# Allegro board reComputer Industrial J201_V1.2.brd (continued)
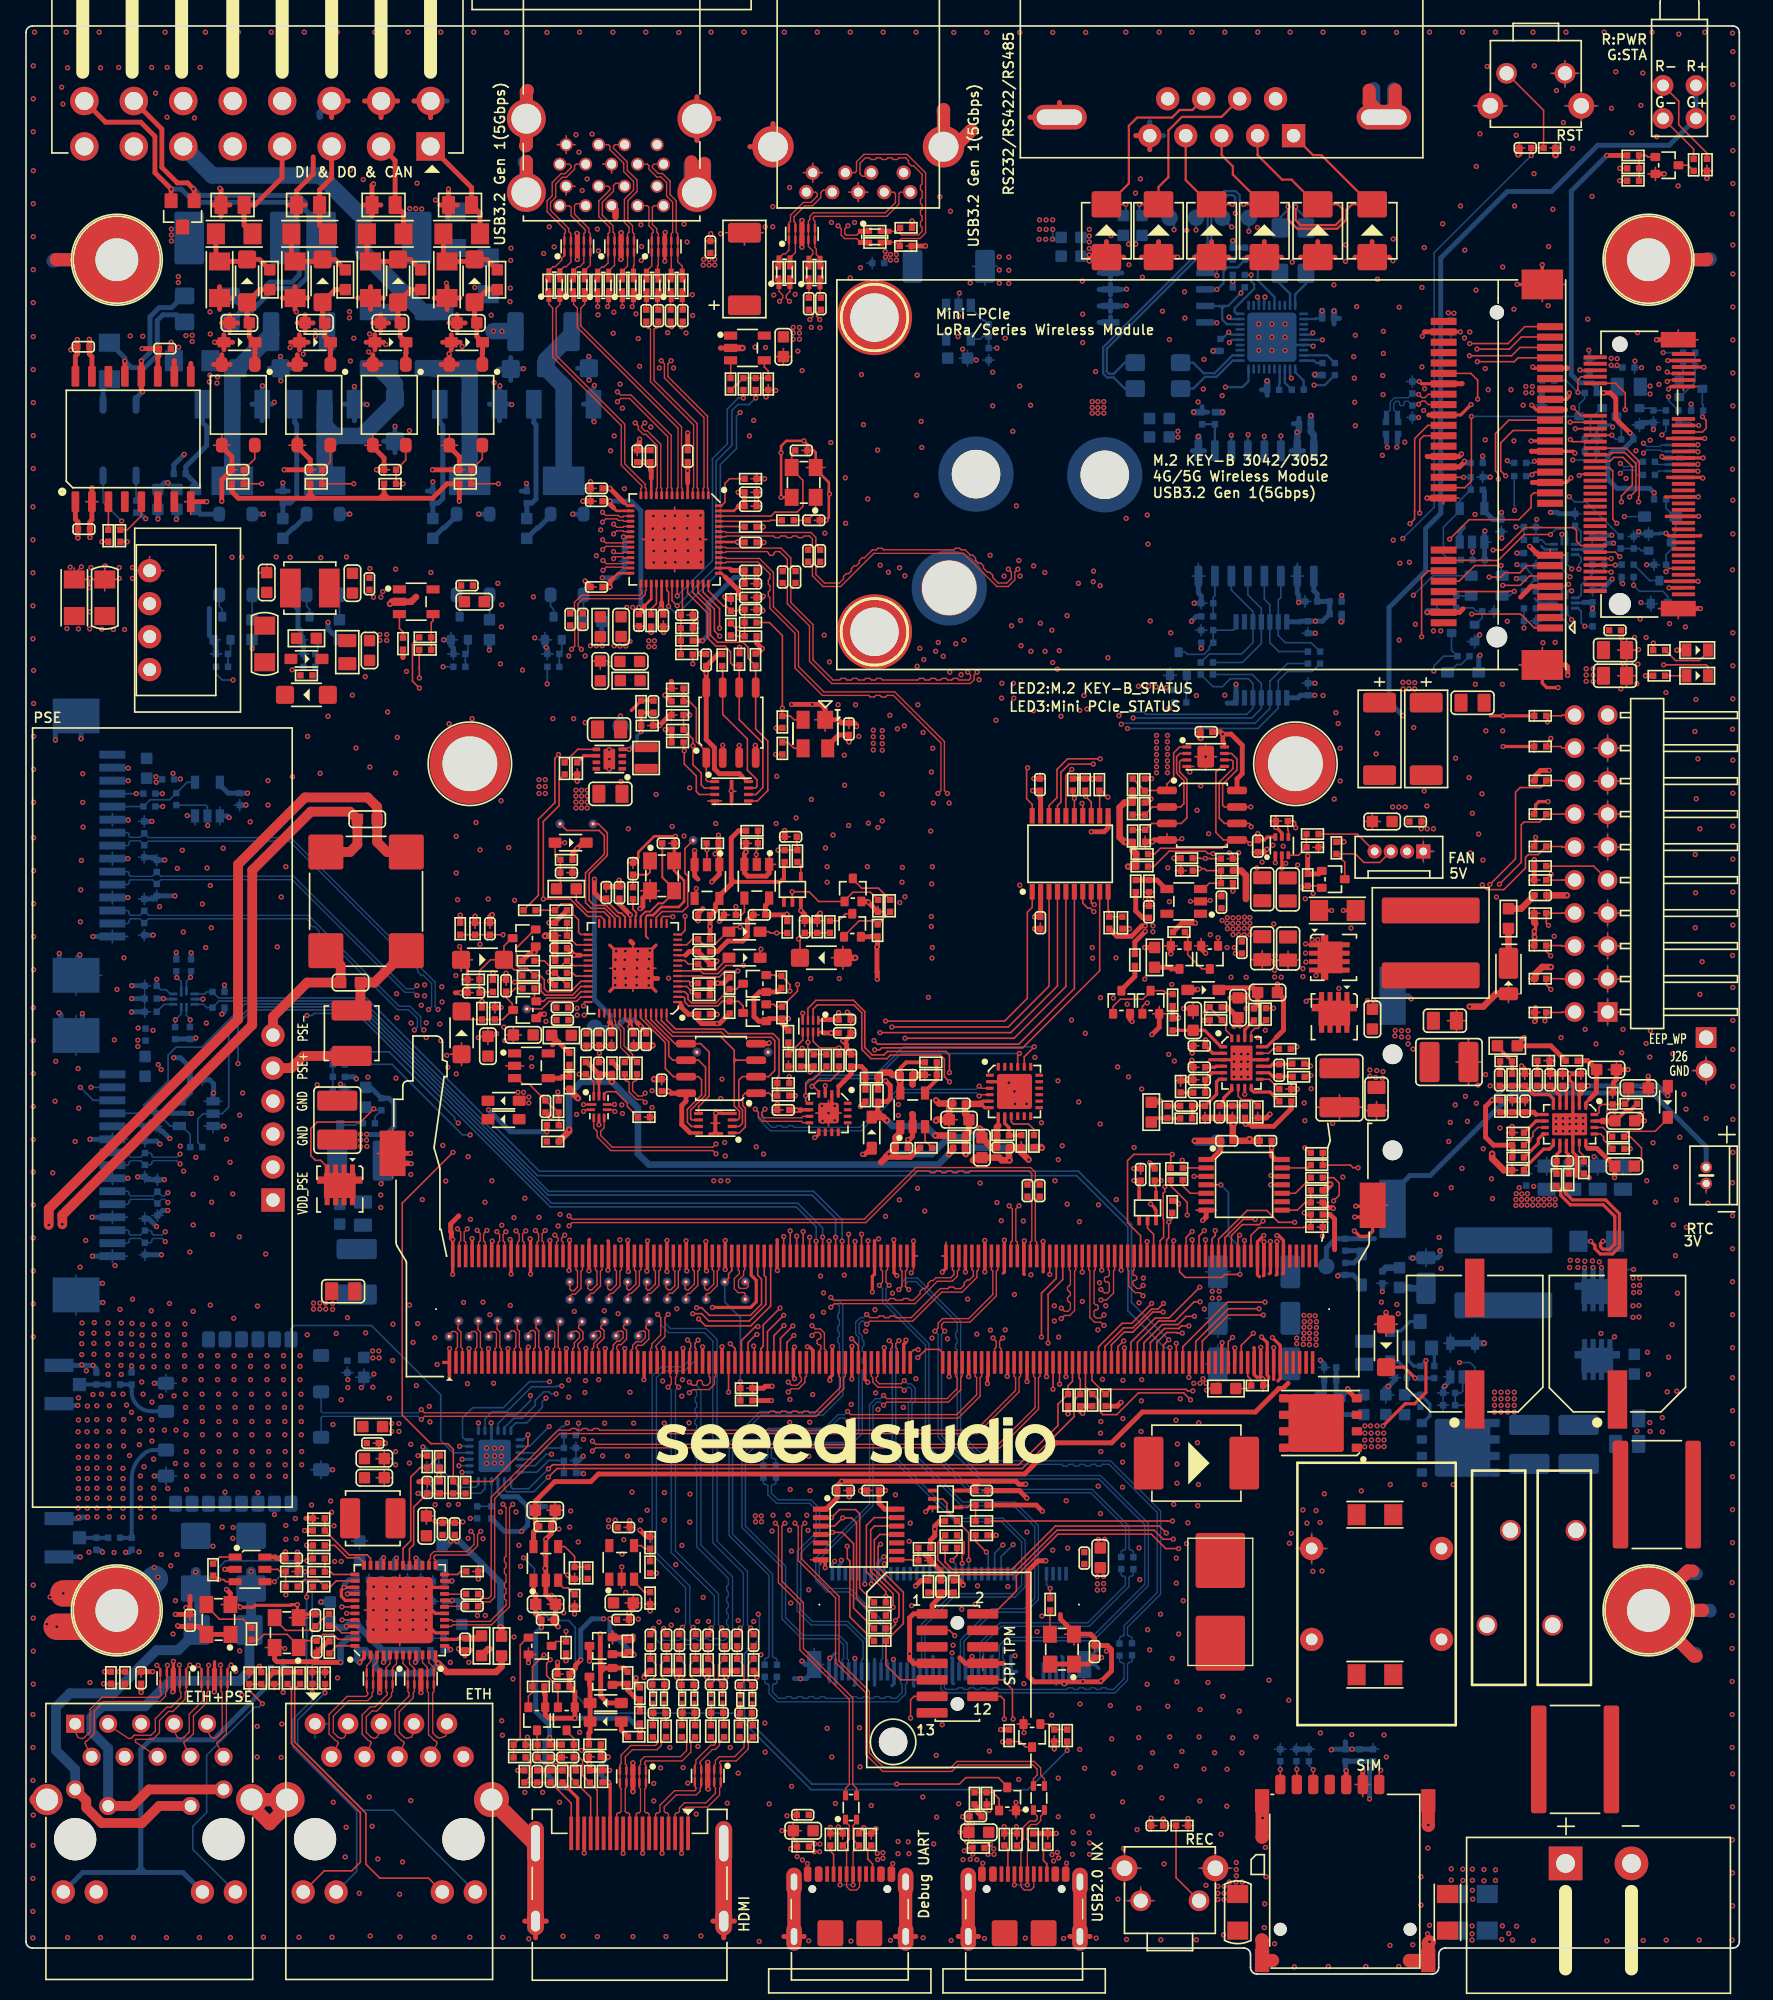
[diagram p0: board, top side]
## Routing (per net, layer and track width the routed paths; a pad name or vN(x,y) marks a point on that pad's centre or on a via; arc(x,y) is an arc through that point) (continued)
HUB_SSTX2_N: length 15.9
  TOP w0.107: U8.11 48.57,114.38 48.64,114.45 48.64,117.68 47.77,118.55 47.56,118.55 47.17,118.94 47.17,119.2 v1(46.94,119.43) ; v1(49.74,126.84) 49.74,127.2 49.71,127.23 C8.1
  LAY3 w0.084: v1(49.74,126.84) 50,126.58 50,125.51 50.3,125.22 50.3,123.04 47.19,119.93 47.19,119.68 v1(46.94,119.43)
HUB_SSTX2_P: length 15.9
  TOP w0.107: v1(47.67,119.43) 47.44,119.2 47.44,119.05 47.68,118.82 47.88,118.82 48.91,117.79 48.91,114.45 48.97,114.38 U8.10 ; v1(50.5,126.84) 50.5,127.17 50.56,127.23 C9.1
  LAY3 w0.084: v1(50.5,126.84) 50.24,126.58 50.24,125.61 50.53,125.31 50.53,122.94 47.43,119.83 47.43,119.68 v1(47.67,119.43)
HUB_SSTX3_C_N: length 1.5
  TOP w0.107: R19.1 60.28,130.14 L3.1 60.33,129.53 60.3,129.51 C4.2
HUB_SSTX3_C_P: length 1.5
  TOP w0.107: R17.1 61.22,130.13 L3.4 61.18,129.14 C5.2
HUB_SSTX3_N: length 31.4
  TOP w0.107: v1(60.39,127.4) 60.64,127.64 60.64,127.82 C4.1 ; U8.20 46.05,111.06 45.99,111.13 45.51,111.13 v1(45.27,110.88)
  LAY3 w0.084: v1(60.39,127.4) 60.65,127.66 60.65,127.93 60.91,128.19 61.6,128.19 61.96,127.83 61.96,126.29 59.94,124.27 55.22,124.27 53.81,122.86 53.81,119.15 45.8,111.14 45.53,111.14 v1(45.27,110.88)
HUB_SSTX3_P: length 31.4
  TOP w0.107: v1(61.15,127.4) 60.91,127.64 60.91,127.82 C5.1 ; v1(45.27,111.64) 45.51,111.4 45.99,111.4 46.05,111.46 U8.19
  LAY3 w0.084: v1(61.15,127.4) 60.89,127.66 60.89,127.83 61.01,127.95 61.5,127.95 61.73,127.73 61.73,127.25 61.6,127.12 61.6,126.82 61.73,126.69 61.73,126.39 61.51,126.17 61.33,126.17 61.11,125.95 61.11,125.77 60.9,125.56 60.72,125.56 60.5,125.34 60.5,125.16 59.85,124.51 59.34,124.51 59.21,124.63 58.91,124.63 58.78,124.51 58.4,124.51 58.27,124.63 57.97,124.63 57.84,124.51 57.53,124.51 57.41,124.63 57.1,124.63 56.98,124.51 56.67,124.51 56.54,124.63 56.24,124.63 56.11,124.51 55.12,124.51 53.57,122.96 53.57,121.84 53.45,121.71 53.45,121.41 53.57,121.28 53.57,120.98 53.45,120.85 53.45,120.54 53.57,120.42 53.57,120.11 53.45,119.98 53.45,119.68 53.57,119.55 53.57,119.25 53.36,119.03 53.18,119.03 52.96,118.82 52.96,118.64 45.71,111.38 45.53,111.38 v1(45.27,111.64)
HUB_SSTX4_N: length 93.4
  TOP w0.107: v1(44.45,108.08) 44.7,108.33 45.99,108.33 46.05,108.26 U8.27
  LAY3 w0.084: v1(122.83,116.32) 122.57,116.05 108.11,116.05 99.77,107.72 86.47,107.72 82.98,111.2 65.21,111.2 60.76,106.76 60.46,106.76 60.33,106.89 60.03,106.89 59.9,106.76 59.6,106.76 59.47,106.89 59.16,106.89 59.04,106.76 58.73,106.76 58.61,106.89 58.3,106.89 58.17,106.76 48.68,106.76 48.55,106.89 48.25,106.89 48.12,106.76 47.81,106.76 47.69,106.89 47.38,106.89 47.26,106.76 46.95,106.76 46.49,106.29 46,106.29 45.88,106.42 45.57,106.42 45.44,106.29 45.14,106.29 45.01,106.42 44.71,106.42 44.58,106.29 44.28,106.29 43.95,106.62 43.95,108.22 44.07,108.34 44.19,108.34 v1(44.45,108.08)
  BOTTOM w0.107: C216.2 124.14,116.44 124.03,116.34 124.03,116.18 123.93,116.07 123.08,116.07 v1(122.83,116.32)
HUB_SSTX4_P: length 93.4
  TOP w0.107: U8.26 46.05,108.66 45.99,108.6 44.7,108.6 v1(44.45,108.84)
  LAY3 w0.084: v1(122.83,115.56) 122.57,115.82 108.21,115.82 99.87,107.48 86.37,107.48 82.88,110.97 65.31,110.97 60.86,106.52 47.05,106.52 46.58,106.06 44.18,106.06 43.71,106.53 43.71,108.31 43.98,108.58 44.19,108.58 v1(44.45,108.84)
  BOTTOM w0.107: C217.2 124.14,115.43 124.03,115.54 124.03,115.7 123.93,115.8 123.08,115.8 v1(122.83,115.56)
HUB_TEST: length 2
  TOP w0.127: R49.1 54.92,111.43 54.89,111.46 U8.52
HUB_USBOC1/2: length 1.4
  TOP w0.127: U5.3 54.29,123.34 54.28,123.33 R40.1
HUB_USBOC3: length 2.1
  BOTTOM w0.127: U41.3 72.8,128.3 73.77,127.33 73.86,127.33 R283.1
HUB_XTALI: length 11.6
  TOP w0.127: U8.54 57.41,112.26 57.71,112.57 59.41,112.57 59.85,113.01 59.85,115.01 58.99,115.88 X1.3 58.99,117.04 C17.1
HUB_XTALO: length 4.9
  TOP w0.127: R48.2 57.35,111.94 57.28,111.87 56.59,111.87 56.5,111.87 55.06,111.87 55.05,111.86 U8.53
I2C0_A0: length 4.7
  BOTTOM w0.127: U51.18 39.36,38.64 40.28,39.56 40.98,39.56 41,39.53 R379.1 R380.2
I2C0_A1: length 5.6
  BOTTOM w0.127: R384.2 31.18,37.66 31.18,37.64 R383.1 35.02,37.02 35.36,37.36 U51.23
I2C0_A2: length 5
  BOTTOM w0.127: U51.24 34.86,37.71 34.62,37.47 33.38,37.47 R381.1 R385.2
I2C0_INT: length 3
  BOTTOM w0.127: R386.2 R382.2 35.86,36.45 U51.22
I2C0_INT_GPIO12: length 14.8
  TOP w0.127: v1(93.53,53.87) 92.36,53.87 92.13,53.64 89.31,53.64 88.88,54.07 J9.218 ; U58.4 v1(92.05,60.77)
  BOTTOM w0.127: v1(92.05,60.77) 92.64,60.18 92.64,56.84 93.53,55.95 v1(93.53,53.87)
I2C0_INT_GPIO12_3V3: length 74.7
  TOP w0.127: U58.11 v1(95.9,60.77)
  LAY4 w0.127: v1(95.9,60.77) 95.09,59.96 85.55,59.96 82.76,57.17 73.18,57.17 71.33,55.32 60,55.32 54.36,49.68 49.01,49.68 42.87,43.53 40.95,43.53 39.68,42.26 39.68,40.53 v1(34.23,35.09)
  BOTTOM w0.127: R386.1 v1(34.23,35.09)
I2C0_SCL: length 50
  TOP w0.127: v1(40.26,38.91) 40.57,39.21 76.48,39.21 79.51,42.24 79.51,43.88 R205.2 80.28,45.29 80.63,45.64 J9.185
  BOTTOM w0.127: U51.19 37.36,37.49 37.49,37.36 38.71,37.36 v1(40.26,38.91)
I2C0_SDA: length 51.4
  TOP w0.127: J9.187 81.13,45.89 81.22,45.8 R206.2 80.75,44.18 80.75,42.92 76.75,38.92 40.91,38.92 v1(40.25,38.26)
  BOTTOM w0.127: U51.20 36.86,37.33 37.06,37.13 39.12,37.13 v1(40.25,38.26)
I2C1_SCL: length 106.7
  TOP w0.127: v1(107.37,112.49) 107.37,112.66 107.38,112.67 107.38,118.14 107.69,118.45 J5.30 ; J9.189 81.63,45.19 R203.2 82.65,44.17 82.65,43.39 82.96,43.07 84.03,43.07 85.71,44.75 89.18,44.75 v1(89.72,44.22)
  LAY3 w0.127: v1(89.72,44.22) 89.77,44.17 92,44.17 94.87,47.04 96.37,47.04 97.06,47.72 97.06,50.69 101.68,55.32 101.68,59.43 102.14,59.89 102.14,62.93 114,74.79 114,81.43 114.84,82.27 114.84,85.39 114.13,86.1 114.12,86.1 113.97,86.25 113.97,93.34 110.06,97.25 110.06,101.87 112.21,104.02 112.21,105.72 110.54,107.39 110.54,111.02 109.63,111.93 107.93,111.93 v1(107.37,112.49)
I2C1_SDA: length 105.7
  TOP w0.127: J9.191 82.13,45.7 R204.2 83.55,45.02 89.38,45.02 89.5,44.9 v1(89.89,44.9) ; v1(106.63,111.68) 106.98,112.02 106.98,112.65 106.99,112.67 106.99,118.23 108.01,119.25 J5.32
  LAY3 w0.127: v1(106.63,111.68) 106.91,111.4 109.78,111.4 110.28,110.91 110.28,107.27 111.94,105.61 111.94,104.21 109.79,102.06 109.79,97.2 113.75,93.25 113.75,86.16 114.61,85.29 114.61,82.44 113.72,81.55 113.72,74.89 101.87,63.04 101.87,60.03 101.41,59.57 101.41,55.43 96.78,50.79 96.78,47.77 96.27,47.26 94.77,47.26 91.9,44.39 90.4,44.39 v1(89.89,44.9)
I2C2_M2M_SCL: length 2.3
  TOP w0.127: v1(71.34,31.85) 71.74,32.25 R220.2
  BOTTOM w0.127: v1(71.34,31.85) 71.63,31.56 J21.40
I2C2_M2M_SDA: length 3.2
  TOP w0.127: v1(72.13,31.61) 72.13,32.01 72.12,32.01 72.12,32.25 72.28,32.41 72.28,33.24 R216.2
  BOTTOM w0.127: J21.42 v1(72.13,31.61)
I2C2_SCL: length 140.9
  TOP w0.127: R220.1 70.82,31.71 71.37,31.15 75.96,31.15 79.3,34.5 87.31,34.5 v1(87.85,33.95) ; U15.6 92.88,93.48 92.99,93.37 92.99,92.83 91.93,91.77 91.93,89 92.34,88.59 U16.6 94.26,88.59 94.39,88.47 v1(94.39,88.34) ; v1(94.7,58.11) 93.78,58.11 92.38,56.7 J9.232 ; v1(58.86,75.69) 58.86,76.19 R134.2 57.75,76.85 57.68,76.92 Q13.2 ; R99.2 86.89,85.28 88.07,86.46 90.87,86.46 91.06,86.27 v1(91.45,86.27)
  LAY3 w0.127: v1(91.45,86.27) 93.51,88.34 v1(94.39,88.34) 93.88,87.83 93.88,83.87 94.95,82.8 94.95,72.55 94.9,72.5 v1(94.9,72.11) 94.9,71.71 94.8,71.61 94.8,58.61 94.7,58.5 v1(94.7,58.11) 94.42,57.83 94.42,53.78 86.91,46.27 86.91,34.9 v1(87.85,33.95)
  LAY4 w0.127: v1(94.9,72.11) 91.7,72.11 91.49,72.31 87.76,72.31 84.38,75.69 v1(58.86,75.69)
I2C2_SDA: length 141.5
  TOP w0.127: v1(95.3,57.98) 95.03,57.7 94.8,57.7 94.8,57.7 93.7,57.7 92.88,56.87 J9.234 ; Q15.2 57.62,74.67 57.8,74.49 R143.2 59.44,75.68 v1(59.44,76.19) ; 92.8,87.32 92.16,86.69 87.41,86.69 86.96,86.24 R95.2 ; 92.8,87.32 U16.5 94,87.32 v1(94.29,87.04) ; 92.8,87.32 92.25,87.32 91.67,87.9 91.67,92.54 92.11,92.98 U15.5 ; R216.1 70.25,33.22 70.25,31.89 71.38,30.75 76.01,30.75 79.43,34.18 86.92,34.18 87.61,33.48 v1(88.39,33.48)
  LAY3 w0.127: v1(94.29,87.04) 94.29,83.89 95.2,82.98 95.2,72.94 v1(95.48,72.66) 95.48,72.27 95.51,72.25 95.51,67.03 95.3,66.82 v1(95.3,57.98) 94.92,57.6 94.92,53.96 87.14,46.17 87.14,35.46 88.39,34.21 v1(88.39,33.48)
  LAY4 w0.127: v1(59.44,76.19) 60.07,76.19 60.28,75.99 84.56,75.99 87.89,72.66 91.67,72.66 92,72.33 94.16,72.33 94.49,72.66 v1(95.48,72.66)
I2S1_LRCK: length 103.1
  TOP w0.127: J6.28 119.14,117.99 v1(118.98,118.16) ; v1(90.78,57.25) 90.38,56.84 J9.224
  LAY3 w0.127: v1(90.78,57.25) 90.78,57.58 91.06,57.86 91.06,59.33 86.16,64.23 86.16,66.75 79.54,73.36 79.54,85.25 79,85.8 79,100.02 v1(79.46,100.48)
  LAY4 w0.127: v1(79.46,100.48) 80.04,100.48 85.58,106.01 98.28,106.01 98.78,105.52 102.1,105.52 104.12,107.54 104.12,110.35 109.86,116.09 109.86,118.08 110.42,118.64 118.47,118.64 118.95,118.16 v1(118.98,118.16)
I2S1_SCLK: length 104.3
  TOP w0.127: v1(119.18,120.61) 119.8,119.99 J6.20 ; v1(90.88,56.54) J9.226
  LAY3 w0.127: v1(90.88,56.54) 91.19,56.85 91.19,57.53 91.39,57.73 91.39,59.33 86.41,64.31 86.41,66.9 79.78,73.54 79.78,85.55 79.27,86.06 79.27,98.92 79.89,99.54 79.89,101.62 v1(79.61,101.9)
  LAY4 w0.127: v1(119.18,120.61) 118.9,120.34 110.57,120.34 109,118.77 109,116.73 103.32,111.06 103.32,108.41 101.78,106.88 84.59,106.88 v1(79.61,101.9)
I2S1_SDIN: length 103.2
  TOP w0.127: J9.222 89.88,56.5 v1(89.84,56.54) ; J6.24 v1(119.36,118.99)
  LAY3 w0.127: v1(89.84,56.54) 90.25,56.94 90.25,59.76 85.91,64.1 85.91,66.67 79.27,73.3 79.27,85.01 78.77,85.52 78.77,100.65 v1(79.1,100.99)
  LAY4 w0.127: v1(119.36,118.99) 110.34,118.99 109.53,118.18 109.53,116.23 103.88,110.57 103.88,107.83 101.79,105.74 98.95,105.74 98.43,106.27 85.37,106.27 80.09,100.99 v1(79.1,100.99)
I2S1_SDOUT: length 104.2
  TOP w0.127: J6.22 v1(118.96,119.49) ; J9.220 89.38,56.7 v1(89.84,57.17)
  LAY3 w0.127: v1(78.52,101.85) 78.52,85.42 79.02,84.91 79.02,73.22 85.65,66.59 85.65,64 89.84,59.81 v1(89.84,57.17)
  LAY4 w0.127: v1(78.52,101.85) 78.92,101.44 79.89,101.44 85.02,106.57 102.06,106.57 103.61,108.12 103.61,110.79 109.27,116.45 109.27,118.44 110.33,119.49 v1(118.96,119.49)
IFP_TERM_EN: length 20.8
  TOP w0.381: v1(47.63,22.83) 47.63,22.96 48.02,23.34 R244.1 ; v1(56.32,22.85) 56.32,23.09 R251.1 ; v1(52.45,22.85) 52.55,22.95 R248.1 R247.1 ; Q19.3 v1(43.41,24.1) ; R245.1 R246.1 50.34,23.05 v1(50.14,22.85) ; R250.1 R249.1 53.82,22.99 v1(53.95,22.85)
  LAY4 w0.381: v1(56.32,22.85) v1(53.95,22.85) v1(52.45,22.85) v1(50.14,22.85) 49.62,22.85 49.6,22.83 v1(47.63,22.83) 47.63,23.35 47.06,23.92 44.11,23.92 43.93,24.1 v1(43.41,24.1)
ILIM_DC1: length 2.6
  TOP w0.254: R194.1 116.51,63.97 116.51,64.31 116.89,64.68 U31.10
ILIM_DC2: length 2.7
  TOP w0.254: R176.1 95.84,67.91 94.59,67.91 94.4,68.11 U25.10
LAA_N79_TX_EN_1V8: length 116.1
  TOP w0.127: v1(113.03,109.65) 113.75,109.65 115.47,111.37 119.23,111.37 119.46,111.15 119.46,110.33 119.8,109.99 J6.60 ; J9.97 56.63,48.16 56.8,48.33 56.8,49.98 v1(58.09,51.28)
  LAY3 w0.127: v1(68.71,97.73) 68.71,96.55 67.77,95.61 67.77,87.14 66.91,86.28 66.91,75.48 64.29,72.87 64.29,70.3 63.68,69.69 63.68,64.99 56.82,58.14 56.82,58.14 56.77,58.08 56.77,56.11 58.37,54.51 58.37,51.56 v1(58.09,51.28)
  LAY4 w0.127: v1(68.71,97.73) 76.33,97.73 77.45,98.85 81.84,98.85 85.53,102.53 101.83,102.53 107.29,108 111.82,108 113.03,109.21 v1(113.03,109.65)
LAN_XI: length 9.2
  TOP w0.127: U38.47 24.06,25.77 23.68,26.16 22.89,26.16 C181.1 21.53,25.66 X3.1 21.01,25.27 20.12,26.16 18.34,26.16 17.92,25.73 R241.2
LAN_XO: length 2.2
  TOP w0.127: U38.46 24.32,26.27 23.79,26.81 R239.1
LAN_XO_R: length 5.2
  TOP w0.127: X3.3 19.16,27.31 20.01,26.46 21.98,26.46 C169.1 22.88,27.36 22.98,27.36 R239.2
LDO_5V_IN: length 5.7
  TOP w0.381: R189.1 v1(40.12,64.85)
  BOTTOM w0.381: v1(40.12,64.85) 37.33,64.85 v1(35.64,66.54)
LED1_CTRL: length 3.3
  TOP w0.127: Q1.1 124.96,139.91 124.84,140.03 R1.2 R4.2 R5.2
LED_WWAN: length 44
  TOP w0.127: v1(126.17,100.81) 129.46,100.81 129.58,100.68 LED3.2 ; v1(111.84,121.27) 111.84,122.73 111.32,123.25 J5.42
  LAY3 w0.127: v1(111.84,121.27) 124.83,121.27 127.61,118.49 127.61,113.56 125.84,111.78 125.84,101.14 v1(126.17,100.81)
M2B_DPR_1V8: length 5.1
  TOP w0.127: v1(129.16,119.91) 129.44,119.63 129.44,119.02 129.16,118.74 J6.25
  BOTTOM w0.127: Q24.3 129.15,120.88 129.21,120.82 R295.2 129.16,120.33 v1(129.16,119.91)
M2B_DPR_3V3: length 168.5
  LAY3 w0.127: v1(41.71,42.44) 42.63,43.35 42.63,46.88 45.19,49.45 45.19,51.02 45.95,51.79 45.95,55.27 45.34,55.87 45.34,63.88 45.9,64.43 56.11,64.43 57.36,63.19 61.55,63.19 63.45,65.09 63.45,69.92 64.06,70.53 64.06,73.05 66.68,75.66 66.68,86.38 67.44,87.14 67.44,95.61 67.67,95.84 v1(67.67,96.11) ; v1(127.84,103.73) 128.3,104.19 128.3,119.73 128.66,120.09 128.66,122.93 126.74,124.85 v1(126.13,124.85)
  LAY4 w0.127: v1(67.67,96.11) 82.25,96.11 84.28,98.14 89.49,98.14 89.84,97.78 103.2,97.78 106.18,100.76 119.15,100.76 121.95,103.55 127.27,103.55 127.45,103.73 v1(127.84,103.73)
  BOTTOM w0.127: U51.15 39.26,40.14 41.28,42.16 41.43,42.16 v1(41.71,42.44) ; R288.1 v1(126.13,124.85)
M2B_PCIE_HSD4_N: length 27.7
  TOP w0.107: J5.36 108.04,120.85 107.77,121.11 107.54,121.11 v1(107.29,120.87) ; J6.9 126.56,122.74 v1(126.45,122.62)
  LAY3 w0.084: v1(107.29,120.87) 107.55,121.13 109.13,121.13 110.87,122.87 126.2,122.87 v1(126.45,122.62)
  BOTTOM w0.107: R302.1 105.71,119.95 L29.4 105.67,120.17 105.37,120.46 105.37,120.94 105.54,121.1 105.75,121.1 105.82,121.03 105.82,120.85 105.9,120.77 106.1,120.77 106.18,120.85 106.18,121.02 106.25,121.1 106.48,121.1 D66.2 107.2,120.78 v1(107.29,120.87)
M2B_PCIE_HSD4_P: length 27.7
  TOP w0.107: v1(107.29,121.63) 107.54,121.38 107.77,121.38 108.04,121.65 J5.38 ; v1(126.45,123.36) 126.56,123.24 J6.7
  LAY3 w0.084: v1(126.45,123.36) 126.2,123.11 110.77,123.11 109.03,121.37 107.55,121.37 v1(107.29,121.63)
  BOTTOM w0.107: R303.1 104.77,119.96 L29.1 104.82,120.15 105.11,120.44 105.11,121.05 105.42,121.37 106.01,121.37 106.48,121.37 D65.2 106.88,121.63 v1(107.29,121.63)
M2B_PCIE_RESET: length 150
  LAY3 w0.127: v1(68.66,100.69) 68.66,98.29 66.68,96.31 66.68,87.09 66.2,86.61 66.2,75.93 63.61,73.34 63.61,71.01 62.97,70.38 62.97,65.31 61.36,63.7 57.66,63.7 56.44,64.92 45.72,64.92 44.86,64.05 44.86,55.54 45.47,54.94 45.47,52.98 44.96,52.47 44.5,52.47 44.17,52.14 44.17,50.19 42.37,48.38 42.37,47.32 40.85,45.79 v1(40.85,44.67)
  LAY4 w0.127: v1(68.66,100.69) 75.96,100.69 77.56,99.09 81.65,99.09 85.35,102.79 101.76,102.79 108.47,109.5 v1(111.45,109.5) 111.87,109.5 114.28,111.91 114.28,113 115.04,113.76 v1(118.9,113.76)
  BOTTOM w0.127: v1(40.85,44.67) 40.45,44.67 40.3,44.83 39.88,44.83 39.22,44.17 39.22,43.78 38.23,42.79 37.58,42.79 36.86,42.07 U51.11 ; R315.2 R316.1 v1(111.45,109.5) 111.41,109.55 U53.2 ; R327.2 120.19,113.36 119.31,113.36 v1(118.9,113.76)
M2B_POWER_OFF#: length 107.8
  TOP w0.127: J6.6 119.74,123.49 v1(119.71,123.52) ; J9.212 87.38,56.46 87.64,56.73 87.64,58.1 87.61,58.13 87.61,60.1 87.74,60.23 v1(87.74,60.62)
  LAY3 w0.127: v1(77.42,101.85) 77.42,101.04 78.03,100.43 78.03,84.98 78.46,84.55 78.46,72.89 84.89,66.47 84.89,63.09 86.08,61.89 87.23,61.89 88.01,61.11 88.01,60.9 v1(87.74,60.62)
  LAY4 w0.127: v1(77.42,101.85) 77.85,102.28 79.43,102.28 84.28,107.13 101.32,107.13 103,108.81 103,111.27 108.69,116.96 108.69,118.94 112.83,123.08 119.28,123.08 v1(119.71,123.52)
  BOTTOM w0.127: R291.1 119.85,123.38 v1(119.71,123.52)
M2B_SSRX4_N: length 102.7
  TOP w0.107: J6.29 128.8,117.74 v1(128.81,117.75) ; C43.1 42.55,103.5 42.55,102.25 v1(42.79,102)
  LAY3 w0.084: v1(124.62,117.87) 124.88,117.61 125.17,117.61 125.44,117.34 125.44,115.75 124.13,114.44 108.12,114.44 100.3,106.62 85.66,106.62 82.22,110.05 66.2,110.05 61.55,105.41 51.34,105.41 49.94,104.01 43.03,104.01 42.53,103.51 42.53,102.26 v1(42.79,102)
  BOTTOM w0.107: v1(128.81,117.75) 128.68,117.62 128.1,117.62 127.98,117.73 U43.6 U43.5 126.02,117.73 125.91,117.62 124.87,117.62 v1(124.62,117.87)
M2B_SSRX4_P: length 102.6
  TOP w0.107: v1(128.81,117.22) 128.78,117.24 J6.31 ; v1(42.03,102) 42.28,102.25 42.28,103.49 C44.1
  LAY3 w0.084: v1(124.62,117.11) 124.88,117.37 125.07,117.37 125.2,117.24 125.2,115.84 124.03,114.68 122.79,114.68 122.66,114.8 122.36,114.8 122.23,114.68 121.87,114.68 121.75,114.8 121.44,114.8 121.31,114.68 121.01,114.68 120.88,114.8 120.58,114.8 120.45,114.68 108.03,114.68 100.2,106.85 85.75,106.85 82.32,110.29 66.1,110.29 61.45,105.64 51.24,105.64 49.84,104.24 42.93,104.24 42.29,103.61 42.29,102.26 v1(42.03,102)
  BOTTOM w0.107: v1(124.62,117.11) 124.85,117.35 125.91,117.35 126.02,117.23 U43.4 U43.7 127.98,117.23 128.1,117.35 128.67,117.35 v1(128.81,117.22)
M2B_SSTX4_N: length 4.6
  TOP w0.107: J6.35 128.8,116.24 v1(128.81,116.25)
  BOTTOM w0.107: C216.1 125.71,116.23 U43.2 U43.9 127.98,116.23 128.1,116.12 128.68,116.12 v1(128.81,116.25)
M2B_SSTX4_P: length 4.7
  TOP w0.107: v1(128.81,115.72) 128.78,115.74 J6.37
  BOTTOM w0.107: v1(128.81,115.72) 128.67,115.85 128.1,115.85 127.98,115.73 U43.10 U43.1 125.8,115.73 C217.1
M2B_STATUS_LED: length 26
  TOP w0.127: v1(123.21,120.45) 123.21,121.75 122.47,122.49 J6.10 ; v1(125.38,102.48) 125.36,102.46 R59.2
  LAY3 w0.127: v1(125.38,102.48) 125.38,112.03 127.28,113.94 127.28,118.26 125.09,120.45 v1(123.21,120.45)
M2B_SUSCLK_32KHZ: length 94.1
  TOP w0.127: U33.4 87.06,60.53 86.96,60.63 R195.2 v1(87.46,61.1) ; J6.68 122.08,107.99 v1(122.13,107.94)
  LAY3 w0.127: v1(87.46,61.1) 87.04,61.51 85.2,61.51 84.46,62.25 84.46,66.21 78.11,72.56 78.11,84.27 77.17,85.21 77.17,92.2 77.6,92.63 77.6,96.86 77.63,96.88 v1(77.63,97.28)
  LAY4 w0.127: v1(77.63,97.28) 80.14,97.28 80.8,96.62 82.02,96.62 84.03,98.62 89.08,98.62 89.34,98.88 102.57,98.88 108.79,105.1 119.28,105.1 v1(122.13,107.94)
M2B_USIM_CLK: length 23.9
  TOP w0.127: v1(123.55,113.74) 124.03,114.22 124.03,116.3 123.19,117.14 122.14,117.14 121.99,116.99 J6.32
  LAY3 w0.127: v1(119.1,103.65) 118.42,104.34 118.42,106.57 116.97,108.02 116.97,110.97 119.75,113.75 123.14,113.75 123.16,113.74 v1(123.55,113.74)
  BOTTOM w0.127: v1(119.1,103.65) 118.33,104.43 U46.2
M2B_USIM_DATA: length 17.9
  TOP w0.127: J6.34 122.04,116.49 122.33,116.78 123.04,116.78 123.75,116.07 123.75,114.65 122.91,113.81 v1(122.91,113.36)
  LAY3 w0.127: v1(118.85,107.01) 117.93,107.92 117.93,111.19 120.1,113.36 v1(122.91,113.36)
  BOTTOM w0.127: v1(118.85,107.01) 118.62,107.01 118.33,106.71 U46.6
M2B_USIM_PWR: length 14.8
  TOP w0.127: J6.36 121.99,115.99 122.25,115.72 122.25,112.01 v1(122.56,111.7)
  LAY3 w0.127: v1(122.56,111.7) 119.97,111.7 118.55,110.28 118.55,107.94 118.9,107.59 v1(118.95,107.59)
  BOTTOM w0.127: v1(118.95,107.59) 118.33,108.21 U45.2
M2B_USIM_RST: length 14.5
  TOP w0.127: J6.30 123.28,117.49 124.29,116.48 124.29,113.8 124.24,113.75 v1(124.24,113.36)
  LAY3 w0.127: v1(124.24,113.36) 124.24,113.3 123.8,112.87 120.35,112.87 v1(118.33,110.85)
  BOTTOM w0.127: U45.6 v1(118.33,110.85)
M2B_W_DISABLE1#: length 108.9
  TOP w0.127: J9.128 v1(64.38,56.97)
  LAY3 w0.127: v1(70.67,101.47) 70.34,101.15 70.34,95.77 69.12,94.54 69.12,63.51 64.38,58.77 v1(64.38,56.97)
  LAY4 w0.127: v1(70.67,101.47) 76.23,101.47 78.11,99.59 80.45,99.59 85.7,104.85 102.57,104.85 104.93,107.21 104.93,108.68 113.49,117.24 118.49,117.24 v1(119.16,116.58)
  BOTTOM w0.127: v1(119.16,116.58) 120.81,116.58 121.01,116.79 R307.1
M2B_W_DISABLE2#: length 117.5
  TOP w0.127: J9.126 v1(63.88,56.41)
  LAY3 w0.127: v1(70.08,101.85) 70.08,95.88 68.86,94.66 68.86,63.67 63.88,58.68 v1(63.88,56.41)
  LAY4 w0.127: v1(126.04,118.51) 124.21,118.51 123.22,117.52 110.52,117.52 110.11,117.11 110.11,115.29 107.93,113.1 107.4,113.1 104.42,110.13 104.42,107.16 102.39,105.13 85.37,105.13 80.22,99.97 78.21,99.97 76.32,101.86 70.1,101.86 v1(70.08,101.85)
  BOTTOM w0.127: R296.1 126.34,118.81 v1(126.04,118.51)
M2B_WOWWAN#_1V8: length 111.3
  TOP w0.127: U58.3 v1(89.99,61.42)
  LAY3 w0.127: v1(89.99,61.42) 89.99,62.69 86.67,66.01 86.67,68.25 80.45,74.47 80.45,88.8 79.73,89.51 v1(79.73,96.85) ; v1(126.55,121.46) 127.92,120.09 127.92,104.88 127.02,103.98 v1(126.62,103.98)
  LAY4 w0.127: v1(126.62,103.98) 126.23,103.98 126.13,103.88 121.85,103.88 119.03,101.06 106.05,101.06 103,98.01 90,98.01 89.64,98.37 84.1,98.37 82.1,96.36 80.24,96.36 79.76,96.85 v1(79.73,96.85)
  BOTTOM w0.127: v1(126.55,121.46) 126.55,121.16 R298.2
M2B_WOWWAN#_3V3: length 68.6
  TOP w0.127: v1(95.91,61.49) 95.98,61.42 U58.12
  LAY4 w0.127: v1(40.31,42.16) 41.38,43.23 42.99,43.23 49.21,49.45 54.46,49.45 60.02,55.01 71.43,55.01 73.36,56.94 82.96,56.94 85.75,59.74 95.66,59.74 96.35,60.42 96.35,61.06 v1(95.91,61.49)
  BOTTOM w0.127: U51.14 38.79,40.64 v1(40.31,42.16)
M2M_ALERT*: length 7.4
  TOP w0.127: U34.2 70.64,36.58 70.96,36.27 70.96,35.65 R213.2 72.63,33.98 v1(72.63,31.87)
  BOTTOM w0.127: J21.44 v1(72.63,31.87)
M2M_ALERT_3V3: length 2.6
  TOP w0.127: R214.1 R212.2 72.72,36.11 72.54,35.93 U34.4
M2M_SUSCLK_32KHZ: length 2
  TOP w0.127: R237.2 78.91,29.69 v1(78.91,29.69)
  BOTTOM w0.127: v1(78.91,29.69) 78.63,29.97 J21.68
M.2_WLAN_TX_EN_1V8: length 111
  TOP w0.127: J6.38 119.77,115.49 v1(119.66,115.39) ; J9.112 v1(60.38,56.73)
  LAY3 w0.127: v1(60.38,56.73) 60.38,57.32 66.02,62.96 66.02,63.95 68.13,66.06 68.13,95.56 69.24,96.68 69.24,100.74 69.17,100.82 v1(69.17,101.21)
  LAY4 w0.127: v1(119.66,115.39) 118.09,116.96 113.62,116.96 105.24,108.58 105.24,107.08 102.72,104.57 85.93,104.57 80.73,99.36 77.7,99.36 76.08,100.99 69.4,100.99 v1(69.17,101.21)
MCT: length 6.2
  TOP w0.381: C184.1 v1(8.87,21.69)
  LAY3 w0.381: J13.4 7.6,18 J13.5 8.87,20.29 8.87,20.29 v1(8.87,21.69)
MCU_ADC0: length 10.5
  TOP w0.127: U23.38 42.77,76.45 41.96,75.64 40.16,75.64 39.93,75.86 39.93,76.56 39.61,76.88 R132.1 38.61,77.44 38.03,77.44 37.77,77.69 37.77,78.99 39.21,80.43 Q9.2
MCU_ADC1: length 14
  TOP w0.127: U23.39 42.77,76.05 42.1,75.38 39.98,75.38 39.68,75.69 39.68,76.19 39.5,76.37 v1(37.65,76.37) ; v1(36.76,80.02) C88.1 R122.1 R121.2
  LAY3 w0.127: v1(37.65,76.37) 37.65,78.68 36.76,79.57 v1(36.76,80.02)
MCU_ADC2: length 5.4
  TOP w0.127: R139.1 39.17,75.03 Q14.2 39.88,74.9 40.13,75.15 42.27,75.15 42.77,75.65 U23.40
MCU_ADC3: length 5.1
  TOP w0.127: U23.41 42.77,75.25 42.42,74.9 40.31,74.9 39.73,74.31 TP4.1
MCU_I2C0_SCL: length 6.2
  TOP w0.127: Q13.3 55.15,76.25 54.74,75.84 R136.2 53.14,74.77 51.29,74.77 51.01,75.05 51.01,75.39 50.75,75.65 U23.3
MCU_I2C0_SDA: length 6.3
  TOP w0.127: Q15.3 55.25,74.54 54.9,74.9 R142.2 53.65,74.9 53.29,74.54 51.06,74.54 50.75,74.85 50.75,75.13 50.64,75.25 U23.2
MCU_I2C1_SCL: length 11.9
  TOP w0.127: U23.5 51.09,76.45 v1(51.29,76.25) 51.34,76.3 R135.2
  LAY3 w0.127: TP6.1 52.84,70.99 52.23,71.6 52.23,75.31 v1(51.29,76.25)
MCU_I2C1_SDA: length 6.6
  TOP w0.127: U23.4 50.9,76.05 v1(51.31,75.64) 51.59,75.36 R140.2
  LAY3 w0.127: v1(51.31,75.64) 51.68,75.26 TP5.1
MCU_RST: length 88.9
  TOP w0.127: J8.8 118.36,81.7 118.34,81.68 D28.2 117.12,80.92 v1(117.3,80.74) ; FB3.1 41.17,83.86 C76.1 R100.2 40.76,86.21 D26.1 v1(41.51,87.12)
  LAY4 w0.127: v1(41.51,87.12) 41.69,87.29 49.69,87.29 52.33,84.65 85.45,84.65 86.21,83.89 97.77,83.89 98.63,84.75 116.39,84.75 117.02,84.12 117.02,81.02 v1(117.3,80.74)
MCU_UART1_RX: length 79.9
  TOP w0.127: 117.23,91.9 118.31,91.9 118.36,91.86 J8.16 ; 117.23,91.9 116.68,91.36 115.12,91.36 114.76,91 114.76,85.87 v1(112.78,83.89) ; 117.23,91.9 D23.2 ; v1(55.28,77.66) 53.95,77.66 53.32,77.03 52.19,77.03 51.97,77.25 U23.7
  LAY4 w0.127: v1(55.28,77.66) 84.24,77.66 84.36,77.54 94.06,77.54 96.83,80.31 100.97,80.31 101.18,80.09 101.18,80.08 101.19,80.08 102.26,80.08 102.57,80.39 102.57,82.37 103.53,83.33 112.22,83.33 v1(112.78,83.89)
MCU_UART1_TX: length 77.6
  TOP w0.127: v1(113.52,83.92) 115.2,85.6 115.2,88.49 115.41,88.7 116.62,88.7 117.23,89.31 ; D24.2 117.23,89.31 ; 117.23,89.31 118.35,89.31 118.36,89.32 J8.14 ; v1(54.84,77.24) 53.88,77.24 53.42,76.78 52.12,76.78 52.05,76.85 U23.6
  LAY4 w0.127: v1(113.52,83.92) 112.58,82.98 103.81,82.98 102.87,82.04 102.87,80.06 102.57,79.75 101.19,79.75 100.87,80.07 97,80.07 94.16,77.24 59.03,77.24 59.02,77.24 58.69,77.24 58.69,77.24 v1(54.84,77.24)
MCU_USB_BOOT: length 66.2
  TOP w0.127: v1(117.47,78.4) 117.12,78.75 D30.2 118.32,79.19 118.36,79.16 J8.6 ; R169.2 v1(58.81,69.11)
  LAY4 w0.127: v1(58.81,69.11) 59.88,70.18 78.11,70.18 79.53,71.6 90.69,71.6 90.73,71.56 95.1,71.56 97.92,74.38 100.19,74.38 101.93,76.12 115.18,76.12 v1(117.47,78.4)
MCU_USB_DN: length 9.2
  TOP w0.107: U29.7 v1(45.34,66.95) ; v1(47.71,67.12) 47.49,67.34 47.04,67.34 46.47,67.91 46.47,68.64 46.36,68.75 46.24,68.75 46.13,68.86 R161.1
  LAY3 w0.084: v1(45.34,66.95) 44.35,66.95 44.26,67.04 44.26,67.65 44.4,67.79 45.93,67.79 46.36,67.36 47.47,67.36 v1(47.71,67.12)
MCU_USB_DP: length 9.2
  TOP w0.107: R162.1 47.07,68.86 46.96,68.75 46.84,68.75 46.74,68.64 46.74,68.02 47.15,67.61 47.48,67.61 v1(47.71,67.83) ; U29.1 v1(42.96,66.95)
  LAY3 w0.084: v1(42.96,66.95) 43.94,66.95 44.03,67.04 44.03,67.75 44.3,68.02 46.03,68.02 46.46,67.59 47.47,67.59 v1(47.71,67.83)
MOD_SLEEP*: length 272.4
  TOP w0.127: R67.1 30.29,100.55 30.31,100.54 v1(30.31,99.79) ; v1(78.88,53.87) J9.178 ; R218.1 v1(48.58,30.87) ; R5.1 v1(122.77,138.08)